# KiCad board MES Main Board.kicad_pcb (continued)
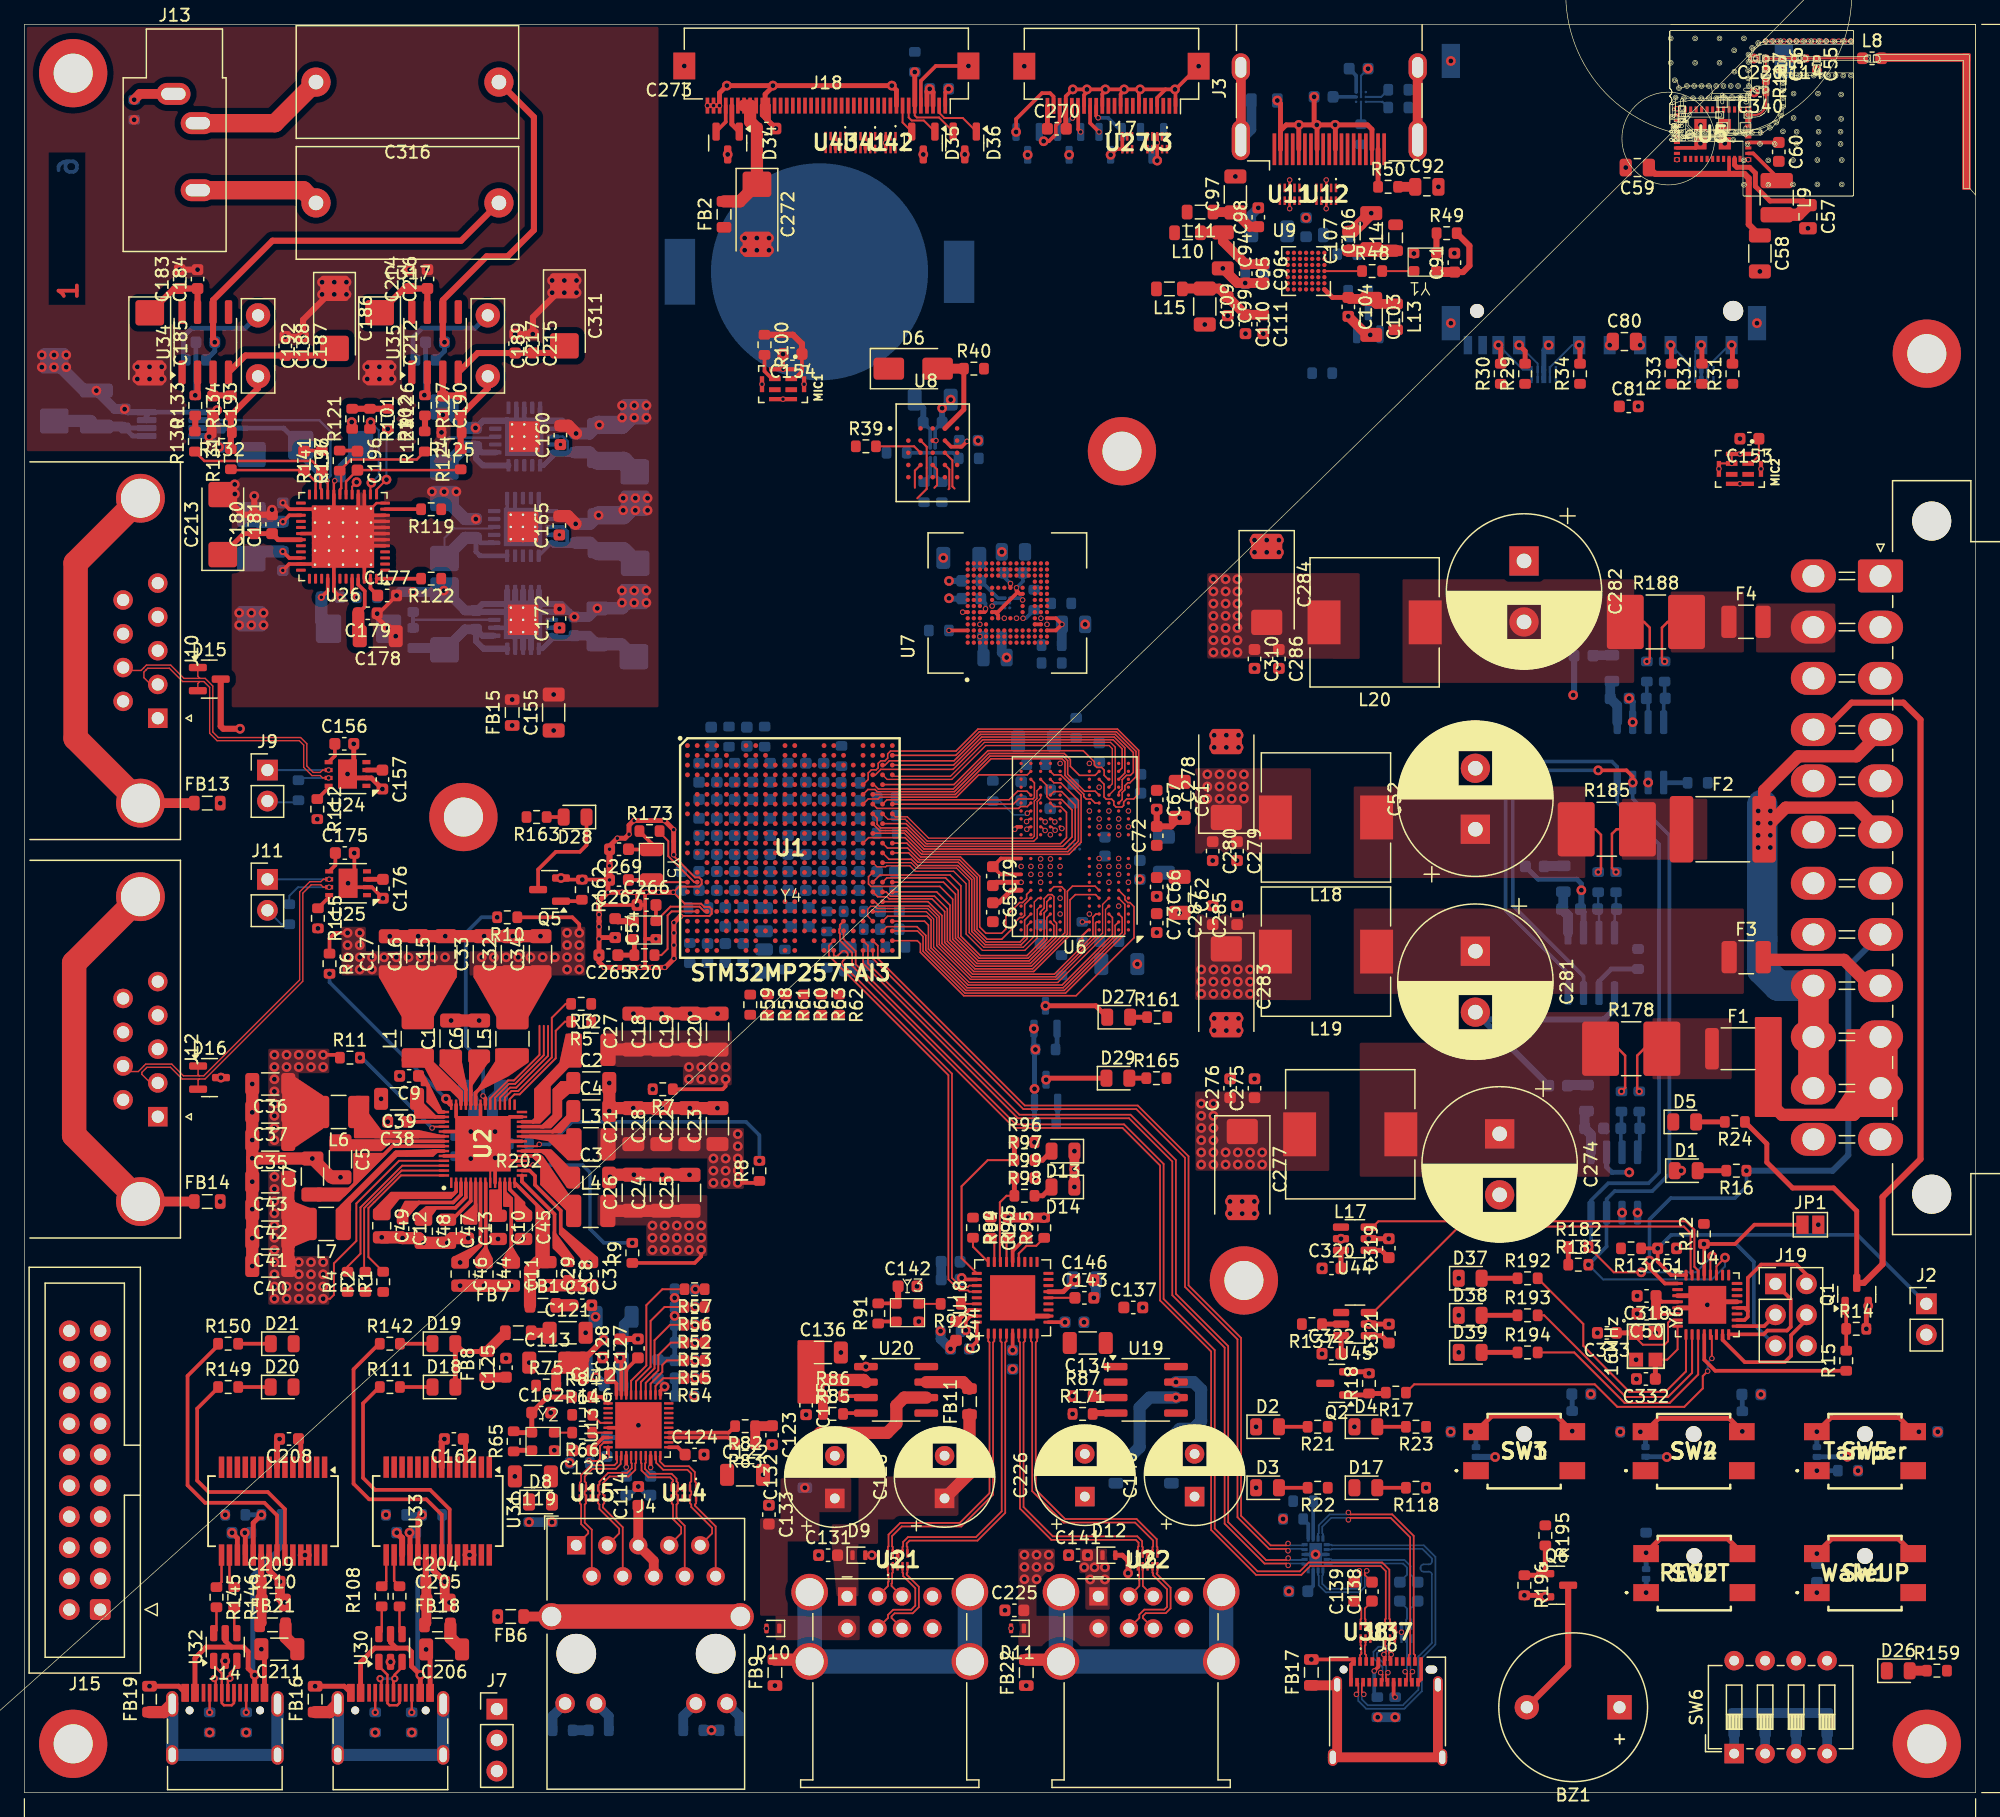
[diagram p0: board, top side]
## Routing (per net, layer and track width the routed paths; a pad name or vN(x,y) marks a point on that pad's centre or on a via; arc(x,y) is an arc through that point) (continued)
  vias: v1(15.19,4.93) v1(16.05,81.14) v1(16.12,58.63) v1(16.05,48.47) v1(16.47,22.78) v1(16.47,10.8) v1(18.19,4.93) v1(24.02,79.83) v1(24.07,70.87) v1(28.77,4.93) v1(29.25,56.89) v1(29.65,22.78) v1(29.79,55.01) v1(30.02,10.72) v1(30.77,58.77) v1(31.76,4.93) v1(38.81,14.44) v1(38.84,45.4) v1(39.49,35.62) v1(40,87.51) v1(40.22,25.93) v1(40.92,45.4) v1(41.4,35.26) v1(43.16,31.16) v1(43.4,87.1) v1(43.46,28.07) v1(44.72,27.04) v1(44.97,28.06) v1(46.02,37.71) v1(46.52,39.96) v1(46.83,39.02) v1(47.42,35.68) v1(54.11,141.59) v1(54.91,32.52) v1(55.73,27.72) v1(57.67,134.33) v1(60.57,26.06) v1(61.05,23.57) v1(61.31,28.54) v1(61.54,8.78) v1(64.1,30.99) v1(65.13,19.47) v1(66.95,36.09) v1(69,34.93) v1(73.19,41.52) v1(73.34,38.63) v1(73.71,134.33) v1(75.35,101.25) v1(77.11,134.34) v1(78.21,110.87) v1(80.15,101.74) v1(80.41,14.95) v1(81.03,34.72) v1(81.99,141.57) v1(82.16,8.77) v1(82.27,134.3) v1(82.83,53.32) v1(82.83,50.4) v1(85.62,19.47) v1(85.67,134.3) v1(85.95,32.51) v1(85.95,31.05) v1(86.88,38.57) v1(86.98,95.8) v1(91.26,67.94) v1(91.46,74.89) v1(91.7,39.78) v1(92.85,73.49) v1(92.85,70.53) v1(94.73,72.14) v1(96.79,120.39) v1(97.44,76.43) v1(97.44,72.73) v1(97.56,86.71) v1(97.56,85.71) v1(97.56,63.49) v1(97.56,62.49) v1(98.56,86.71) v1(98.56,85.71) v1(98.56,63.49) v1(98.56,62.49) v1(98.67,121.11) v1(98.87,58.54) v1(98.86,48.48) v1(98.86,47.48) v1(99.3,132.53) v1(99.44,76.43) v1(99.44,72.73) v1(99.56,86.71) v1(99.56,85.71) v1(99.56,63.49) v1(99.56,62.49) v1(99.86,48.48) v1(99.86,47.48) v1(100.13,119.64) v1(100.87,102.71) v1(100.87,101.71) v1(100.87,92.19) v1(100.87,58.54) v1(100.86,48.48) v1(100.86,47.48) v1(101,30) v1(101,25) v1(101.59,119.64) v1(101.87,102.71) v1(101.87,101.71) v1(102.87,102.71) v1(102.87,101.71) v1(102.87,92.19) v1(103.21,22.44) v1(103.69,16.51) v1(105.1,129.14) v1(106.41,42.99) v1(106.4,35.99) v1(107.96,45.42) v1(109.06,30) v1(114.94,25) v1(115.95,131.68) v1(116.97,142) v1(116.97,120.5) v1(116.95,29.59) v1(117.26,126.24) v1(117.62,42.18) v1(117.62,39.14) v1(117.62,36.1) v1(128.44,32.68) v1(128.99,37.7) v1(130.86,29.59) v1(131.01,47.56) v1(131.31,133.26) v1(132.16,35.5) v1(132.19,33.92) v1(132.28,47.56) v1(132.25,40.73) v1(132.25,39.27) v1(132.34,113.68) v1(132.49,118.7) v1(133.15,82.83) v1(133.76,37.7) v1(135.48,44.63) v1(137.44,136.75) v1(139.44,136.75) v1(139.44,135.25) v1(140.68,111.03) v1(141.84,142.2) v1(141.84,139.42) v1(142.07,120.5) v1(142.31,124.74) v1(142.39,32.65) v1(144.15,141.25) v1(146.25,128.28) v1(146.98,141.25) v1(147.1,46.57) v1(150.36,26.4) v1(156.9,29.59) v2(60.48,115.5) v2(60.85,13.46) v2(62.21,114.27) v2(63.93,115.5) v2(80.35,96.3) v2(80.91,13.47) v2(81.35,96.3) v2(81.73,75.95) v2(83.35,96.3) v2(83.33,75.95) v2(83.33,74.65) v2(83.85,95.8) v2(84.13,78.55) v2(84.93,84.4) v2(84.93,73.35) v2(84.93,72.05) v2(87.33,84.4) v2(87.33,80.5) v2(87.33,72.05) v2(88.13,82.45) v2(88.13,76.6) v2(88.93,80.5) v2(88.93,79.2) v2(88.93,75.95) v2(88.93,74.65) v2(89.73,78.55) v2(89.73,76.6) v2(89.73,72.7) v2(90.53,80.5) v2(90.53,79.2) v2(90.53,75.95) v2(90.53,74.65) v2(135.51,138.08) v2(135.51,133.91) v2(140.68,107.33) v2(141.36,138.08) v2(141.36,133.91) v2(142.4,108.55) v2(145.28,143.62) v2(145.78,143.62) v2(146.28,143.62) v2(146.78,143.62) v2(147.28,143.62) v2(147.78,143.62) v2(148.28,143.62) v2(148.78,143.62) v2(149.28,143.62) v2(149.78,143.62)
GNDA: length 206.2
  Top w0.2: U26.12 28.88,105.75 28.42,105.3 ; U26.20 25.38,107.5 v2(25.45,107.58)
  Top w0.3: 27.38,104.25 U26.49 ; 27.38,104.25 U26.16 ; 27.38,104.25 U26.49 27.87,104.74 ; 27.38,104.25 U26.9 ; U26.49 26.38,103.25 U26.7 ; U26.49 26.88,102.25 U26.5 ; U26.49 25.38,102.25 U26.41 25.38,98.55 v3(25.9,98.02) ; U26.49 23.88,105.25 U26.26 21.72,105.25 v3(21.2,105.77) ; U26.49 26.88,103.75 U26.8 ; U26.49 25.88,103.25 U26.30 ; U26.49 27.87,101.25 U26.46 ; U26.49 26.38,102.75 U26.6 ; U26.49 27.87,104.74 ; U26.49 25.38,103.75 U26.20 ; v1(30.52,98.17) 29.06,96.71 28.93,96.71 ; U26.49 25.02,100.75 U26.35 21.71,100.75 v3(21.19,100.23) ; U26.15 27.87,104.74 ; 27.87,104.74 U26.10
  Top w0.4: 28.93,96.71 v1(28.93,96.68) 28.93,96.35 v1(29.81,95.47) v1(30.45,94.83)
  Top w0.5: v1(21.39,119.4) v1(22.85,119.4) 22.85,120.77 C186.1 ; C180.2 v1(18.85,106.33) ; C180.2 17.92,104.79 C213.2 ; C180.2 C181.2 v1(20.31,105.21) ; C213.2 17.21,106.44 v1(17.26,106.49) ; C213.2 16.41,106.44 v1(17.25,107.28) ; v1(40.24,119.6) v1(41.69,119.6) C215.1 41.7,120.98 C311.1 ; v1(12.74,124.89) v1(14.2,124.89) ; v1(15.81,113.37) 15.47,113.03 C193.2 15.47,111.66 R132.2 15.36,111.4 v1(15.15,111.19)
  Top w1: C160.2 44.6,112.09 v1(45.24,111.45) ; C165.2 44.56,104.68 v1(45.2,104.04)
  Bottom w0.2: U23.21 40.34,112.55 40.34,113.56 ; U23.8 U23.21 ; 42.29,112.5 U23.21
  Bottom w0.3: U28.21 39.58,105.09 U28.6 ; U28.21 42.18,105.09 U28.10 ; U28.21 40.23,104.44 U28.7
  Bottom w0.4: v1(15.97,110.34) C221.2 15.14,111.25 U36.8 ; U23.21 40.34,111.85 40.34,113.56 ; U23.21 42.29,112.5 U23.10 ; U23.21 U23.8 ; U36.5 U36.4 ; C195.2 25.89,108.81 C182.2 25.8,107.92 v2(25.45,107.58) ; U29.2 40.24,95.52 ; 40.24,95.52 U29.21 ; 40.24,95.52 U29.19
  Bottom w0.5: U29.7 40.24,96.82 ; 40.24,96.82 U29.21 ; 40.24,96.82 U29.4 37.16,96.82 C170.2 37.56,97.47 39.59,97.47 ; U29.18 U29.21 ; U29.21 U29.8 ; U29.21 42.19,97.47 ; U29.21 39.59,97.47 ; U29.21 41.54,95.52 U29.17 ; U29.21 41.54,96.82 ; 39.59,97.47 U29.6 ; 42.19,97.47 U29.11 44.05,97.47 v1(45.1,96.42) 44.7,96.82 U29.12 41.54,96.82 ; 42.19,97.47 U29.10 ; 42.29,112.5 U23.11 44.11,112.5 C168.2 ; C218.2 8.49,113.2 U36.4 U36.3 ; U23.21 39.69,112.5 U23.5 37.63,112.5 C173.2 ; U29.9 41.54,96.82
  Bottom w0.8: C218.2 v1(8.22,113.45) 7.43,113.45 v1(5.9,114.97) ; v1(45.1,96.42) 46.29,96.42 v1(46.98,97.11) ; C168.2 v1(45.24,111.45) ; v1(30.52,98.17) 30.82,98.47 v1(31.87,98.47) R106.2 34.29,98.47 v1(34.39,98.57) C171.1 36.14,96.94 C170.2
  Bottom w1: C174.2 36.15,111.91 v1(36.99,111.91) C173.2 ; C168.2 46.34,111.45 C159.2 ; v1(46.98,97.11) 49.02,97.11 C169.1 ; C166.2 v1(37.02,104.44) 36.13,104.44 C167.2 ; 4.89,114.97 C312.2 ; v1(45.2,104.04) 46.38,104.04 v1(47.08,104.75)
  Bottom w1.5: C159.2 v1(47.15,112.16) 48.96,112.16 C158.2 ; v1(47.08,104.75) 49.1,104.75 C313.2
  vias: v1(1.43,117.89) v1(1.43,116.89) v1(2.43,117.89) v1(2.43,116.89) v1(3.43,117.89) v1(3.43,116.89) v1(9,137.18) v1(9.26,116.92) v1(9.26,115.92) v1(10.26,116.92) v1(10.26,115.92) v1(11.26,116.92) v1(11.26,115.92) v1(17.61,96.74) v1(17.61,95.74) v1(18.61,96.74) v1(18.61,95.74) v1(19.61,96.74) v1(19.61,95.74) v1(24.41,123.86) v1(24.41,122.86) v1(25.41,123.86) v1(25.41,122.86) v1(26.41,123.86) v1(26.41,122.86) v1(28.11,116.92) v1(28.11,115.92) v1(29.11,116.92) v1(29.11,115.92) v1(30.11,116.92) v1(30.11,115.92) v1(31.59,124.89) v1(33.05,124.9) v1(33.42,106.68) v1(34.2,111.54) v1(34.31,112.98) v1(34.42,106.68) v1(35.42,106.68) v1(40,89.64) v1(43.27,124) v1(43.27,123) v1(43.4,90.05) v1(43.88,97.06) v1(44.27,124) v1(44.27,123) v1(45.27,124) v1(45.27,123) v1(49.01,113.75) v1(49.01,112.75) v1(49,98.57) v1(49,97.57) v1(49.1,106.15) v1(49.1,105.15) v1(50.01,113.75) v1(50.01,112.75) v1(50,98.57) v1(50,97.57) v1(50.1,106.15) v1(50.1,105.15) v1(51.01,113.75) v1(51.01,112.75) v1(51,98.57) v1(51,97.57) v1(51.1,106.15) v1(51.1,105.15) v1(59.06,127.48) v1(59.06,126.48) v1(60.06,127.48) v1(60.06,126.48) v1(61.06,127.48) v1(61.06,126.48)
VBUS_HOST_EN: length 1.9
  Top w0.3: R86.2 68.88,32.51 69,32.39
VBUS_HOST_EN2: length 1.9
  Top w0.3: R85.2 67.2,31.12 U20.4
VBUS_HOST_EN3: length 1.9
  Top w0.5: 89.48,32.39 87.72,32.39 R87.2
VBUS_HOST_EN4: length 1.9
  Top w0.5: U19.4 87.67,31.12 R171.2
VDD1_DDR: length 5.6
  Top w0.3: C39.1 33.68,55.41 U2.44
  Top w0.4: U6.F12 80.93,74 79.9,72.97 C65.1
VDD2_DDR: length 14.6
  Top w0.164: v2(86.75,71.4) 86.75,71.4 U6.B5
  Top w0.3: v2(83.33,76.57) U6.K10 ; v1(24.5,60.5) 25.64,60.5 R11.1 ; U6.H12 80.04,75.3 C79.1 80.07,76.59 80.07,76.6 U6.K12
  Top w1: L6.2 C37.1 ; C35.1 C36.1
  Bottom w0.3: 86.75,71.4 v2(86.75,71.4)
  vias: v1(20.5,60.5) v1(20.5,59.5) v1(20.5,58.5) v1(20.5,57.5) v1(20.5,56.5) v1(20.5,55.5) v1(20.5,54.5) v1(20.5,53.5) v1(21.5,60.5) v1(21.5,59.5) v1(22.5,60.5) v1(22.5,59.5) v1(23.5,60.5) v1(23.5,59.5) v1(24.5,59.5)
VDD_CORE: length 14
  Top w0.3: v1(57.5,58.5) 57.5,57.92 57.26,57.68 R7.1
  Top w1: 56.98,60.94 48.02,60.94 48,60.92 48,60.92
  vias: v1(54.5,59.5) v1(54.5,58.5) v1(55.5,59.5) v1(55.5,58.5) v1(56.5,59.5) v1(56.5,58.5) v1(57.5,59.5)
VDD_CORE1_FB:
  vias: v1(51.52,57.68)
VDD_CPU: length 11.6
  Top w0.3: v1(26.5,70.5) 25.48,70.5 25.02,70.04 R6.1
  Top w1: C15.1 34.55,67.27 C17.1 ; C16.1 L1.2
  vias: v1(26.5,69.5) v1(26.5,68.5) v1(26.5,67.5) v1(27.5,70.5) v1(27.5,69.5) v1(27.5,68.5) v1(27.5,67.5) v1(28.5,68.5) v1(28.5,67.5) v1(29.5,68.5) v1(30.5,68.5) v1(31.5,68.5) v1(32.5,68.5) v1(33.5,68.5) v1(34.5,68.5)
VDD_CPU1_FB: length 14.9
  Top w0.3: v1(34.57,56.9) 34.57,56.74 34.9,56.41 U2.42
  Bottom w0.3: v1(25.02,67.15) 25.02,66.45 v1(34.57,56.9)
VDD_DDR2_FB: length 9.3
  Top w0.164: v2(33.43,54.5) 33.54,54.61 U2.46
  Bottom w0.3: v1(27.52,60.27) 27.66,60.27 v2(33.43,54.5)
VDD_EMMC: length 15.9
  Top w0.3: 79.61,96.8 79.81,96.8 81.47,98.46 ; 79.61,96.8 U7.E6 ; 79.61,96.8 79.85,96.56 U7.F5 ; U2.16 41.43,51.01 41.87,50.57 41.87,49.83 43.98,47.72 43.98,45.86 v1(46.33,43.51) ; 81.47,98.46 81.62,98.3 U7.K9 ; 81.47,98.46 81.35,98.57 v2(81.35,98.8)
  Bottom w0.3: v2(81.35,98.8) 81.88,99.33 C82.1
VDD_GPU: length 1.8
  Top w0.3: v1(58.5,50) 60.11,50 R8.1
  vias: v1(56.5,52) v1(56.5,51) v1(56.5,50) v1(57.5,52) v1(57.5,51) v1(57.5,50) v1(58.5,54) v1(58.5,53) v1(58.5,52) v1(58.5,51)
VDD_GPU1_FB: length 22.8
  Top w0.164: v2(42.22,53.16) 42.07,53.01 U2.21
  Bottom w0.3: v1(60.27,51.81) 60.27,53.91 59.18,55 44.9,55 43.06,53.16 v2(42.22,53.16)
VDD_IO: length 16.1
  Top w0.3: R9.1 54.97,43.44 55.5,43.97 v1(55.5,44.5)
  Top w0.4: U45.6 107.97,36.01 C322.2 ; U44.6 C320.2
  Top w1: L4.2 47.85,47.71 C25.1 54.53,47.72
  vias: v1(51.5,46.5) v1(51.5,45.5) v1(51.5,44.5) v1(52.5,46.5) v1(52.5,45.5) v1(52.5,44.5) v1(53.5,46.5) v1(53.5,45.5) v1(53.5,44.5) v1(54.5,46.5) v1(54.5,45.5) v1(54.5,44.5) v1(55.5,46.5) v1(55.5,45.5)
VDD_IO1_FB: length 14.4
  Top w0.164: U2.17 41.66,51.41 v2(41.71,51.46)
  Bottom w0.3: v2(41.71,51.46) 45.78,51.46 46.38,50.86 46.38,46.22 47.52,45.09 v1(49.85,45.09)
VDD_SDCARD: length 5.4
  Top w0.3: 36.2,50.01 36.2,48.81 35.34,47.95 33.69,47.95 C48.1
  vias: v1(129.99,118.7)
VDDA1.8V_AON: length 3
  Top w0.5: Y4.4 48.66,71.46 C54.1
  Top w1: C30.1 FB1.2
VDDIO: length 7.6
  Bottom w0.8: R158.1 147.81,6.53 147.82,6.54
VDDIO_SDCARD: length 7.6
  Top w0.3: U2.2 35.4,49.3 34.92,48.82 30.69,48.82 C49.1
/AI/VLED: length 11.5
  Top w0.3: J18.32 J18.33 ; J18.35 J18.34
  Top w1: FB2.2 58.67,130.49 C272.1 C273.1 59.51,137.02 J18.33 J18.34
/ETHERNET/MDI_0N: length 12.5
  Top w0.141: U13.2 48.9,27.58 48.9,26.95 48.5,26.55 46.58,26.55 45.95,25.92 45.95,25.52 46.05,25.42 U15.4 46.05,24.79 45.95,24.69 45.95,24.45 46.05,24.35 ; J4.2 46.52,21.56 45.95,22.14 45.95,23.62 46.05,23.72 U15.7
/ETHERNET/MDI_0P: length 10.4
  Top w0.141: J4.1 46.23,21.26 46.23,21.44 45.65,22.02 45.65,23.62 45.55,23.72 U15.6 ; 48.55,27.63 48.6,27.58 48.6,27.07 48.38,26.85 46.46,26.85 45.65,26.04 45.65,25.52 45.55,25.42 U15.5 45.55,24.79 45.65,24.69 45.65,24.45 45.55,24.35
/ETHERNET/MDI_1N: length 12.6
  Top w0.141: J4.4 49.06,21.76 47.45,23.38 47.45,23.62 47.55,23.72 U15.10 ; U13.5 50.15,27.05 50.1,27 50.1,26.47 49.55,25.92 47.99,25.92 47.45,25.38 47.45,25.27 47.55,25.17 U15.1 47.55,24.79 47.45,24.69 47.45,24.45 47.55,24.35
/ETHERNET/MDI_1P: length 10.4
  Top w0.141: U15.9 47.05,23.72 47.15,23.62 47.15,23.26 48.77,21.64 48.77,21.26 J4.3 ; 47.05,24.35 47.15,24.45 47.15,24.69 47.05,24.79 U15.2 47.05,25.17 47.15,25.27 47.15,25.5 47.87,26.22 49.43,26.22 49.8,26.59 49.8,27 49.75,27.05 U13.4
/ETHERNET/MDI_2N: length 12.3
  Top w0.141: 53.58,24.35 53.48,24.45 53.48,24.69 53.58,24.79 U14.4 53.58,25.42 53.48,25.52 53.48,25.74 53.07,26.15 51.29,26.15 50.9,26.54 50.9,27 50.95,27.05 U13.7 ; J4.8 54.15,21.88 53.48,22.55 53.48,23.62 53.58,23.72 U14.7
/ETHERNET/MDI_2P: length 10.2
  Top w0.141: 53.08,24.35 53.18,24.45 53.18,24.69 53.08,24.79 U14.5 53.08,25.42 53.18,25.52 53.18,25.62 52.95,25.85 51.17,25.85 50.6,26.42 50.6,27 50.55,27.05 U13.6 ; J4.7 53.85,21.26 53.85,21.76 53.18,22.43 53.18,23.62 53.08,23.72 U14.6
/ETHERNET/MDI_3N: length 13
  Top w0.141: U14.10 55.08,23.72 54.98,23.62 54.98,23.54 56.69,21.83 J4.10 ; 55.08,24.35 54.98,24.45 54.98,24.69 55.08,24.79 U14.1 55.08,25.42 54.98,25.52 54.98,26.28 54.49,26.77 52.5,26.77 52.1,27.17 52.1,27.58 U13.10
/ETHERNET/MDI_3P: length 10.8
  Top w0.141: U13.9 51.8,27.58 51.8,27.05 52.38,26.47 54.37,26.47 54.68,26.16 54.68,25.52 54.58,25.42 U14.2 54.58,24.79 54.68,24.69 54.68,24.45 54.58,24.35 ; U14.9 54.58,23.72 54.68,23.62 54.68,23.42 56.39,21.71 56.39,21.26 J4.9
/Peripherals/CAN1_N: length 30.1
  Top w0.108: 14.39,91.37 14.22,91.54 D15.1 ; 14.39,91.37 14.39,91.37 13.08,91.37 11.99,92.46 10.01,92.46 9.78,92.23 9.78,92.23 9.57,92.02 8.33,92.02 J10.7 ; 14.39,91.37 14.82,91.37 15.45,90.74 15.45,86.97 15.9,86.52 22.65,86.52 23.16,86.01 23.16,84.18 23.68,83.66 24.26,83.66 24.46,83.86 v2(24.95,83.86)
  Bottom w0.157: J9.1 24.94,83.85 v2(24.95,83.86)
/Peripherals/CAN1_P: length 27.5
  Top w0.108: 14.36,91.11 14.72,91.11 15.19,90.64 15.19,86.87 15.8,86.26 22.55,86.26 22.9,85.91 22.9,84.08 23.58,83.4 24.26,83.4 24.46,83.21 v2(24.95,83.21) ; J10.2 10.36,90.87 9.8,91.43 9.8,91.89 9.96,92.05 9.96,92.05 10.11,92.2 11.89,92.2 12.98,91.11 14.38,91.11 14.22,90.95 D15.2
  Bottom w0.108: 22.66,83.21 R113.2
  Bottom w0.157: v2(24.95,83.21) 22.66,83.21
  vias: v2(142.78,143.62) v2(143.28,143.62) v2(143.78,143.62) v2(144.28,143.62) v2(144.78,143.62)
/Peripherals/CAN2_N: length 34.6
  Top w0.108: 14.35,58.78 13.04,58.78 12.08,59.74 9.95,59.74 9.77,59.56 9.77,59.56 9.34,59.13 8.55,59.13 J12.7 ; 14.35,58.78 14.71,58.78 22.57,66.64 22.57,73.86 23.41,74.7 24.31,74.7 24.5,74.9 v2(24.99,74.9) ; 14.35,58.78 14.24,58.89 D16.1 14.2,59.58
  Bottom w0.157: J11.1 24.99,74.89 v2(24.99,74.9)
/Peripherals/CAN2_P: length 33.7
  Top w0.108: v2(24.99,74.25) 24.5,74.25 24.31,74.44 23.51,74.44 22.83,73.76 22.83,66.54 14.81,58.52 14.34,58.52 ; D16.2 14.24,58.42 14.34,58.52 ; 14.34,58.52 12.94,58.52 11.98,59.48 10.05,59.48 9.95,59.38 9.95,59.38 9.63,59.06 9.63,58.9 10.33,58.2 J12.2
  Bottom w0.157: v2(24.99,74.25) 22.44,74.25 21.72,73.53 R116.2
/Peripherals/USB3.0CTx1_N: length 2.3
  Top w0.141: C138.1 110.5,15.69 109.92,15.1 109.92,14.26 109.97,14.21 U38.5
/Peripherals/USB3.0CTx1_P: length 2.3
  Top w0.141: C139.1 109.04,15.69 109.62,15.1 109.62,14.26 109.57,14.21 U38.6
/Peripherals/USB3.0CTx2_N: length 2.3
  Bottom w0.141: U39.5 113.32,14.21 113.37,14.26 113.37,15.1 112.79,15.69 C238.1
/Peripherals/USB3.0CTx2_P: length 2.3
  Bottom w0.141: U39.6 113.72,14.21 113.67,14.26 113.67,15.1 114.25,15.69 C239.1
/Peripherals/USBDN1_N: length 24.4
  Top w0.141: U21.10 70.81,20.14 70.86,20.2 70.86,21.16 71.82,22.12 76.7,22.12 79.14,24.56 79.14,36.92 79.03,37.02 U18.1
/Peripherals/USBDN1_P: length 24.4
  Top w0.141: U18.2 79.53,37.02 79.43,36.92 79.43,24.43 76.82,21.82 71.94,21.82 71.15,21.03 71.15,20.2 71.2,20.14 U21.9
/Peripherals/USBDN2_N: length 24.9
  Top w0.141: U18.3 80.03,37.02 80.14,36.92 80.14,23.07 78.03,20.96 72.46,20.96 72.06,20.56 72.06,20.2 72,20.14 U21.7 72,19.87
/Peripherals/USBDN2_P: length 24.9
  Top w0.141: U18.4 80.53,37.02 80.43,36.92 80.43,22.94 78.15,20.66 72.58,20.66 72.35,20.43 72.35,20.2 72.41,20.14 U21.6 72.41,19.87
/Peripherals/USBDN3_N: length 26.2
  Top w0.141: U18.6 81.53,37.02 81.64,36.92 81.64,23.29 84.21,20.72 91.14,20.72 91.36,20.5 91.36,20.19 91.31,20.13 U22.10
/Peripherals/USBDN3_P: length 26.2
  Top w0.141: U22.9 91.7,20.13 91.65,20.19 91.65,20.63 91.26,21.02 84.33,21.02 81.93,23.42 81.93,36.92 82.03,37.02 U18.7
/Peripherals/USBDN4_N: length 25.6
  Top w0.141: U22.7 92.5,20.13 92.56,20.19 92.56,20.66 91.08,22.14 85.22,22.14 82.64,24.72 82.64,36.92 82.53,37.02 U18.8
/Peripherals/USBDN4_P: length 25.6
  Top w0.141: U18.9 83.03,37.02 82.93,36.92 82.93,24.85 85.34,22.44 91.2,22.44 92.85,20.79 92.85,20.19 92.91,20.13 U22.6
/Power PMIC/PSU_+5V: length 52.7
  Top w1: J1.6 150.2,80.77 144.43,80.77 F2.2 142.66,82.17 145.46,84.98 150.22,84.98 152.2,86.96 J1.4
  Top w2.5: J1.23 J1.21
  Bottom w2.5: 142.5,81 142.5,67.5 143.83,66.17 J1.21
  vias: v1(142.17,80.5) v1(142.17,79.5) v1(142.17,78.5) v1(142.17,77.5) v1(143.17,80.5) v1(143.17,79.5) v1(143.17,78.5) v1(143.17,77.5)
/Power PMIC/PSU_+5VSB: length 10.6
  Top w1: F3.2 142.81,68.29 149.21,68.29 151.33,66.17 J1.9
/Power PMIC/PSU_+12V: length 19.2
  Top w1: J1.11 150.01,55.58 144.12,55.58 142.66,57.04 F1.2
  Top w2.5: J1.11 J1.10
AMISO: length 9.4
  Top w0.3: J19.1 144.84,40.47 144.84,38.19 144.54,37.89 142.93,37.89 142.62,37.58 139.77,37.58 U4.16
AMOSI: length 10.9
  Top w0.3: J19.4 146.13,38.77 144.87,37.51 144.87,35.82 144.35,35.3 141.08,35.3 139.25,37.13 U4.15
AReset: length 23.6
  Top w0.3: U4.29 137.75,44.96 v1(137.72,44.99) 140.28,44.99 141.86,46.57 145.8,46.57
  Bottom w0.3: v1(137.72,44.99) 140.36,44.99 141.82,43.53 141.82,38.41 J19.5
AS6221_INT(PMIC): length 1.9
  Bottom w0.3: Temp3.B1 R202.1
AS6221_INT(QSPI): length 2.1
  Bottom w0.3: Temp4.B1 76.15,109.87 76.61,109.41
AS6221_SCL: length 2.2
  Bottom w0.3: R198.1 74.68,108.02 Temp4.C1
AS6221_SDA: length 4.5
  Bottom w0.3: Temp3.C2 36.01,52.81 R203.2 ; R197.1 74.28,107.98 Temp4.C2
ASCK: length 3.5
  Top w0.3: U4.17 142.66,38.25 J19.3
ATmega328p_Rx: length 31
  Top w0.164: U44.3 110.55,46.37 111.03,46.85 136.24,46.85 136.94,46.15 136.94,43.12 137.25,42.81 U4.30
ATmega328p_Tx: length 33
  Top w0.164: U4.31 136.63,42.56 136.63,45.87 136.08,46.42 117.64,46.42 110.59,39.37 U45.3
Audio_Mute: length 3
  Top w0.3: R119.2 32.52,105.25 U26.11
Audio_Reset: length 3.7
  Top w0.3: R122.2 32.52,99.55 U26.48
Button_Tamp: length 10.6
  Top w0.4: v1(155.35,29.59) 155.34,29.6 SW5.2 153.72,30.76 148.14,30.76 v1(146.98,29.6)
  Bottom w0.4: D25.1 v1(146.98,29.6)
Button_user1: length 1.4
  Bottom w0.4: R151.2 126.92,32.66 C223.2
Button_user2: length 1.4
  Bottom w0.4: R154.2 140.87,32.62 C222.2
CAM_EN: length 2.7
  Top w0.3: v2(85.95,137.32) 85.89,137.38 J17.18
  Bottom w0.3: v2(85.95,137.32) 85.86,137.32 D32.1
CAM_RST: length 2.2
  Top w0.3: J17.17 86.42,138.29 86.42,136.38 v2(86.62,136.18)
CAM_ToF_INT1: length 3.5
  Top w0.3: v2(88.05,137.34) 87.89,137.5 J17.14
  Bottom w0.3: v2(88.05,137.34) 88.86,137.34 90.02,136.18
CAM_ToF_INT2: length 2.4
  Top w0.3: J17.15 87.39,136.91 v2(88.12,136.18)
CTP_INT: length 4.3
  Top w0.157: D36.1 76.95,137.32 75.44,137.32 75.01,137.75 J18.2
CTP_RST: length 7.3
  Top w0.157: D36.2 75.01,137.37 73.18,137.37 73.01,137.53 J18.6
  Top w0.4: J18.6 v1(73.01,141.09)
d2+: length 5.7
  Top w0.2: U32.1 15.52,10.45 16.19,9.78 J14.A6 16.19,7.35 16.37,7.16 17,7.16 17.19,7.35 J14.B6
D2+: length 2.8
  Top w0.2: U33.15 16.16,17.27 R145.1
d2-: length 5.4
  Top w0.2: J14.A7 16.69,9.21 v3(16.85,9.38) 16.85,9.79 17.42,10.36 U32.3 ; J14.B7 15.69,9.24 v3(15.57,9.35)
  Bottom w0.2: v3(16.85,9.38) 16.83,9.35 v3(15.57,9.35)
D2-: length 2.8
  Top w0.2: R146.1 16.81,17.25 U33.16
d+: length 5.7
  Top w0.2: U30.1 29.07,10.37 29.77,9.67 J8.A6 29.77,7.34 29.94,7.16 30.57,7.16 30.77,7.36 J8.B6
D+: length 2.7
  Top w0.2: R107.1 29.67,17.29 U31.15
d-: length 6.3
  Top w0.2: J8.B7 29.27,9.25 v3(29.17,9.35) ; U30.3 30.97,10.28 30.37,9.68 v3(30.37,9.35) 30.27,9.25 J8.A7 30.27,9.31
  Bottom w0.2: v3(29.17,9.35) v3(30.37,9.35)
D-: length 2.8
  Top w0.2: R108.1 30.32,17.36 U31.16
DDR_CA0_A:
  vias: v2(89.73,75.3)
DDR_CA0_B:
  vias: v2(89.73,79.85)
DDR_CA1_A:
  vias: v2(89.73,75.95)
DDR_CA1_B:
  vias: v2(89.73,79.2)
DDR_CA2_A:
  vias: v2(84.13,75.3)
DDR_CA2_B: length 0.5
  Top w0.127: U6.R9 84.25,79.85 v2(84.5,79.6)
DDR_CA3_A:
  vias: v2(83.33,75.3)
DDR_CA3_B: length 0.5
  Top w0.127: v2(83.7,79.6) 83.45,79.85 U6.R10
DDR_CA4_A:
  vias: v2(82.53,75.3)
DDR_CA4_B: length 0.4
  Top w0.127: v2(82.18,79.63) 82.4,79.85 U6.R11
DDR_CA5_A:
  vias: v2(82.53,75.95)
DDR_CA5_B: length 0.4
  Top w0.127: v2(82.2,79) 82.4,79.2 U6.P11
DDR_CKE0_A:
  vias: v2(88.13,75.95)
DDR_CKE0_B:
  vias: v2(88.13,79.2)
DDR_CLK_A_N: length 0.1
  Top w0.127: U1.M19 68.85,77.06
  vias: v2(84.13,75.95)
DDR_CLK_A_P:
  vias: v2(84.93,75.95)
DDR_CLK_B_N: length 0.5
  Top w0.127: v2(84.52,78.92) 84.24,79.2 U6.P9
DDR_CLK_B_P: length 0.2
  Top w0.127: v2(85.07,79.06) 84.93,79.2 U6.P8
DDR_CS0_A:
  vias: v2(88.13,75.3)
DDR_CS0_B:
  vias: v2(88.13,79.85)
DDR_DQ0_A: length 24.7
  Top w0.127: 71.17,71.46 73.81,71.46 74.13,71.14 74.13,69.17 77.3,66 85.18,66 89.44,70.26 89.44,71.11 U6.B2
DDR_DQ0_B: length 23.9
  Top w0.127: 69.57,83.46 69.78,83.46 70.23,83.91 76.15,83.91 78.58,86.34 89.27,86.34 90.02,85.59 90.02,84.04 U6.AA2
DDR_DQ1_A: length 26.3
  Top w0.127: U1.Y21 70.72,71.01 73.19,71.01 73.91,70.29 73.91,69.08 77.21,65.78 85.27,65.78 90.02,70.53 90.02,71.76 U6.C2
DDR_DQ1_B: length 23.2
  Top w0.127: U6.Y2 90.24,83.61 90.24,85.68 89.36,86.56 78.49,86.56 76.19,84.26 71.17,84.26
DDR_DQ2_A: length 27
  Top w0.127: U6.E2 90.24,72.84 90.24,70.43 85.37,65.56 77.12,65.56 73.69,69 73.69,70.2 73.23,70.66 71.17,70.66
DDR_DQ2_B: length 26.4
  Top w0.127: U1.C21 70.57,84.26 70.92,84.61 76.23,84.61 78.4,86.78 89.45,86.78 90.93,85.29 90.93,83.66 90.69,83.42 90.37,83.42 90.02,83.07 90.02,82.32 89.73,82.03 U6.V2
DDR_DQ3_A: length 28.6
  Top w0.127: 71.17,69.86 73.22,69.86 73.47,69.61 73.47,68.91 77.03,65.35 86.24,65.35 90.99,70.1 90.99,72.65 90.65,72.99 90.48,72.99 90.24,73.23 90.24,73.49 U6.F2
DDR_DQ3_B: length 26.4
  Top w0.127: U6.U2 90.02,81.44 90.02,82.01 90.24,82.23 90.24,82.56 90.48,82.81 90.65,82.81 91.15,83.31 91.15,85.38 89.54,87 78.31,87 76.37,85.06 71.17,85.06
DDR_DQ4_A: length 26.9
  Top w0.127: U6.F4 87.8,74.33 85.94,74.33 85.53,73.92 85.53,70.41 82.67,67.55 77.93,67.55 75.68,69.8 75.68,72.46 74.63,73.51 71.02,73.51 70.67,73.86 U1.T21
DDR_DQ4_B: length 22.1
  Top w0.127: 69.57,81.86 69.58,81.85 76.33,81.85 79.26,84.78 85.09,84.78 85.33,84.53 85.33,83.42 86.87,81.88 86.87,81.68 87.08,81.47 87.47,81.47 87.79,81.15 88.13,81.15 U6.U4
DDR_DQ5_A: length 27.2
  Top w0.127: 69.57,73.86 69.97,73.46 70.74,73.46 70.91,73.29 74.42,73.29 75.46,72.25 75.46,69.72 77.84,67.34 82.76,67.34 85.74,70.32 85.74,73.2 86.18,73.64 87.84,73.64 U6.E4
DDR_DQ5_B: length 22.8
  Top w0.127: U1.F19 69.17,82.26 69.75,82.26 69.93,82.08 76.26,82.08 79.17,85 85.18,85 85.55,84.62 85.55,83.51 86.93,82.12 87.81,82.12 U6.V4
DDR_DQ6_A: length 24.5
  Top w0.127: U6.C4 87.87,72.05 87.62,71.8 87.62,70.28 84.46,67.12 77.75,67.12 75.24,69.63 75.24,71.92 74.1,73.06 U1.U21
DDR_DQ6_B: length 35.1
  Top w0.127: U1.E19 69.19,83.08 69.19,83.61 69.45,83.87 69.85,83.87 70.01,84.03 70.01,84.4 70.22,84.61 70.57,84.61 70.79,84.83 70.79,85.18 71.02,85.41 76.39,85.41 78.19,87.21 89.63,87.21 91.37,85.47 91.37,81.89 90.96,81.48 90.39,81.48 90.14,81.23 90.14,80.95 90.01,80.82 89.51,80.82 89.33,81 89.33,81.29 89.15,81.47 88.71,81.47 88.53,81.65 88.53,82.7 U6.Y4
DDR_DQ7_A: length 25
  Top w0.127: U6.B4 87.92,71.4 87.84,71.32 87.84,70.19 84.55,66.9 77.66,66.9 75.02,69.54 75.02,71.83 74.14,72.71 70.08,72.71 69.73,73.06 69.57,73.06
DDR_DQ7_B: length 21.1
  Top w0.127: 69.57,82.66 69.66,82.66 70.02,82.3 76.17,82.3 79.08,85.21 85.27,85.21 85.77,84.71 85.77,84.16 86.51,83.42 87.8,83.42 U6.AA4
DDR_DQ8_A: length 19.2
  Top w0.127: U1.M21 70.89,76.54 72.73,76.54 73.24,76.02 76.54,76.02 77.68,74.87 77.68,70.62 78.77,69.53 81.73,69.53 82.24,70.04 82.24,71.11 U6.B11
DDR_DQ8_B: length 14.9
  Top w0.127: U6.AA11 82.24,83.46 78.25,83.46 76.42,81.63 70.16,81.63 70.01,81.48 69.19,81.48 U1.G19
DDR_DQ9_A: length 18.7
  Top w0.127: U6.C11 82.02,71.54 82.02,70.13 81.64,69.75 78.86,69.75 77.9,70.71 77.9,74.96 76.57,76.29 73.28,76.29 72.51,77.06 71.17,77.06
DDR_DQ9_B: length 13.6
  Top w0.127: 71.26,81.15 71.17,81.06 81.1,81.06 81.52,81.48 82.69,81.48 82.82,81.61 82.82,82.81 U6.Y11
DDR_DQ10_A: length 20
  Top w0.127: U6.E11 82.02,72.84 82.02,71.93 81.85,71.76 81.61,71.76 81.33,71.48 81.33,71.17 80.14,69.98 78.94,69.98 78.12,70.8 78.12,75.05 76.66,76.51 73.4,76.51 73.4,76.51 73.37,76.51 72.42,77.46 70.77,77.46 U1.L21
DDR_DQ10_B: length 12.7
  Top w0.127: U1.G21 70.72,81.41 80.74,81.41 81.45,82.12 82.21,82.12 U6.V11
DDR_DQ11_A: length 19.1
  Top w0.127: 71.17,77.86 72.36,77.86 73.49,76.73 76.75,76.73 78.34,75.14 78.34,70.98 78.85,70.47 80.13,70.47 80.48,70.82 80.48,71.86 81.61,72.99 81.85,72.99 82.18,73.32 82.18,73.65 U6.F11
DDR_DQ11_B: length 13.3
  Top w0.127: 69.57,81.06 69.92,80.71 81.53,80.71 81.68,80.86 82.24,80.86 U6.U11
DDR_DQ12_A: length 24.4
  Top w0.127: U6.F9 84.42,74.29 85.05,74.29 85.31,74.03 85.31,70.51 82.57,67.77 78.02,67.77 75.9,69.89 75.9,72.77 74.81,73.86 71.17,73.86
DDR_DQ12_B: length 19.7
  Top w0.127: U1.J21 72.3,79.46 73.95,77.81 84.95,77.81 85.45,78.31 85.45,80.39 84.98,80.86 84.42,80.86 U6.U9
